# KiCad board dynamis.kicad_pcb (continued)
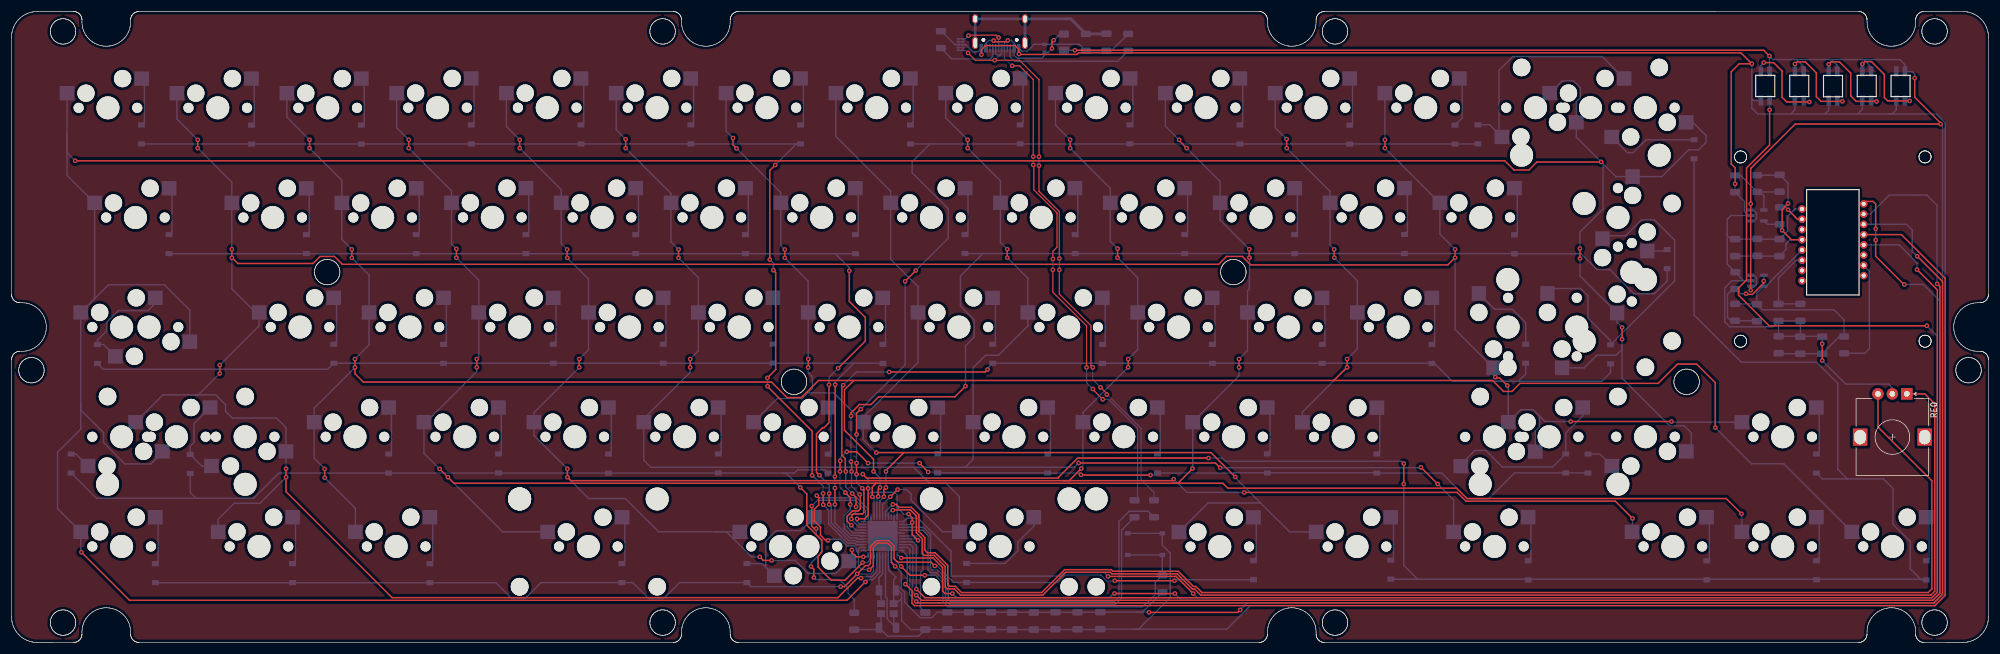
[diagram p0: board, top side]
## Routing (per net, layer and track width the routed paths; a pad name or vN(x,y) marks a point on that pad's centre or on a via; arc(x,y) is an arc through that point) (continued)
row09: length 329
  Top w0.25: v1(146.66,21.48) 147.97,21.48 148.6,22.1 148.6,26.73 v1(148.57,26.75) ; v1(147.65,29.25) 148.35,28.55 181.6,28.55 181.6,28.69 184.93,32.03 v1(207.62,32.03) ; v1(241.5,31.07) v1(241.5,27.52)
  Bottom w0.25: v1(207.62,32.03) 210,32.03 210.55,31.48 241.1,31.48 v1(241.5,31.07) ; U0.32 147.17,20.5 146.66,21.01 v1(146.66,21.48) ; D09_01.1 314.1,28.4 318.42,28.4 ; 243.9,11 332.02,11 D09_02.1 331.27,10.88 329.35,12.8 329.35,17.55 326.35,20.55 326.35,26.75 324.7,28.4 318.42,28.4 ; 243.9,11 D09_06.1 ; 243.9,11 241.5,13.4 v1(241.5,27.52) ; 318.42,28.4 316.77,30.05 316.77,45 313.1,48.68 300.05,48.68 291.85,56.88 D09_00.1 ; v1(148.57,26.75) 148.57,28.32 v1(147.65,29.25)
SCLK: length 271.7
  Top w0.25: v1(156.94,8.2) 157.81,7.33 333.28,7.33 334.5,8.54 334.5,61.8 v1(334.02,62.28)
  Bottom w0.25: v1(156.94,8.2) 156.21,8.93 156.21,9.69 156.35,9.83 156.35,16.6 155.95,17 U0.9 ; U1.10 322.42,74.4 325.72,77.7 332.22,77.7 334,75.93 334,62.3 v1(334.02,62.28)
Net-(C0-Pad2): length 9
  Bottom w0.25: 150.82,9.03 150.47,9.38 150.47,11.3 151.1,11.93 U0.17 ; Y0.3 150.82,8.68 C0.2
Net-(C1-Pad1): length 15.9
  Bottom w0.25: U0.16 151.6,7.92 151.87,7.65 151.87,4.13 C1.1 153.02,2.98 Y0.1
Net-(C2-Pad1): length 17.1
  Bottom w0.25: U0.6 157.5,18.5 158.1,17.9 158.1,12.55 157.66,12.11 157.66,6.04 C2.1
Net-(C7-Pad1): length 13.7
  Bottom w0.25: C8.1 306.52,58.8 C7.1 306.5,63.33 309.56,66.39 U1.3
Net-(C15-Pad2): length 18.6
  Top w0.25: v1(300.85,60.58) 300.97,60.45 301.97,60.45 303.95,62.43 v1(303.95,62.77)
  Bottom w0.25: v1(303.95,62.77) 303.96,62.79 U2.4 ; C15.2 302.66,55.89 R9.2 298.21,55.89 297.65,56.45 297.65,60.48 298.56,61.39 R10.1 299.81,60.58 v1(300.85,60.58)
Net-(C19-Pad2): length 12.8
  Bottom w0.25: R11.2 299.92,81.11 R12.1 ; R11.2 306.66,78.24 C19.2 ; R11.2 303.28,78.24 303.96,77.56 U3.4
Net-(D00_00-Pad2): length 8.5
  Bottom w0.25: D00_00.2 23.05,90.38 23.05,97.44 SW00_00.2
Net-(D00_01-Pad2): length 8.5
  Bottom w0.25: D00_01.2 42.1,90.33 42.1,97.44 SW00_01.2
Net-(D00_02-Pad2): length 8.5
  Bottom w0.25: D00_02.2 61.18,90.33 61.18,97.44 SW00_02.2
Net-(D00_03-Pad2): length 8.5
  Bottom w0.25: D00_03.2 80.23,90.35 80.23,97.47 79.74,97.96
Net-(D00_04-Pad2): length 8.5
  Bottom w0.25: SW00_04.2 99.25,97.47 99.25,90.35 D00_04.2
Net-(D00_05-Pad2): length 8.4
  Bottom w0.25: D00_05.2 118.3,90.35 118.3,97.47 SW00_05.2
Net-(D00_06-Pad2): length 8.5
  Bottom w0.25: D00_06.2 137.35,90.35 137.35,97.47 SW00_06.2
Net-(D01_00-Pad2): length 8.5
  Bottom w0.25: D01_00.2 27.83,71.33 27.83,78.39 27.34,78.88
Net-(D01_01-Pad2): length 8.5
  Bottom w0.25: 51.14,78.88 51.63,78.39 51.63,71.3 D01_01.2
Net-(D01_02-Pad2): length 8.5
  Bottom w0.25: 70.21,78.88 70.7,78.39 70.7,71.33 D01_02.2
Net-(D01_03-Pad2): length 8.5
  Bottom w0.25: 89.24,78.91 89.73,78.42 89.73,71.33 D01_03.2
Net-(D01_04-Pad2): length 8.5
  Bottom w0.25: SW01_04.2 108.75,78.42 108.75,71.3 D01_04.2
Net-(D01_05-Pad2): length 8.5
  Bottom w0.25: D01_05.2 127.8,71.33 127.8,78.42 SW01_05.2
Net-(D01_06-Pad2): length 8.5
  Bottom w0.25: SW01_06.2 146.85,78.42 146.85,71.28 D01_06.2
Net-(D02_00-Pad2): length 19.2
  Bottom w0.25: 18,49.7 15.95,51.75 D02_00.2 14.9,52.53 16.52,54.15 16.52,55.6 18.57,57.65 23.7,57.65 24.94,58.89 SWCL_S00.2
Net-(D02_01-Pad2): length 8.5
  Bottom w0.25: D02_01.2 56.38,52.28 56.38,59.37 SW02_01.2
Net-(D02_02-Pad2): length 8.5
  Bottom w0.25: D02_02.2 75.43,52.25 75.43,59.37 SW02_02.2
Net-(D02_03-Pad2): length 8.5
  Bottom w0.25: SW02_03.2 94.45,59.37 94.45,52.28 D02_03.2
Net-(D02_04-Pad2): length 8.4
  Bottom w0.25: D02_04.2 113.5,52.25 113.5,59.37 SW02_04.2
Net-(D02_05-Pad2): length 8.4
  Bottom w0.25: SW02_05.2 132.55,59.37 132.55,52.25 D02_05.2
Net-(D02_06-Pad2): length 8.5
  Bottom w0.25: SW02_06.2 151.6,59.37 151.6,52.23 D02_06.2
Net-(D03_00-Pad2): length 3.8
  Bottom w0.25: SW03_00.2 11.17,32.73 D03_00.2
Net-(D03_01-Pad2): length 14.1
  Bottom w0.25: SWLS_S01.2 33,30.65 D03_01.2 31,34.1 31.65,34.75 31.65,38.01 SWLS_L01.2
Net-(D03_02-Pad2): length 8.5
  Bottom w0.25: D03_02.2 65.9,33.2 65.9,40.32 SW03_02.2
Net-(D03_03-Pad2): length 8.5
  Bottom w0.25: D03_03.2 84.95,33.23 84.95,40.32 SW03_03.2
Net-(D03_04-Pad2): length 8.5
  Bottom w0.25: D03_04.2 104.03,33.2 104.03,40.32 SW03_04.2
Net-(D03_05-Pad2): length 8.5
  Bottom w0.25: SW03_05.2 123.08,40.32 123.08,33.23 D03_05.2
Net-(D03_06-Pad2): length 8.5
  Bottom w0.25: SW03_06.2 142.13,40.32 142.13,33.2 D03_06.2
Net-(D04_00-Pad2): length 8.5
  Bottom w0.25: D04_00.2 25.43,14.15 25.43,21.27 SW04_00.2
Net-(D04_01-Pad2): length 8.5
  Bottom w0.25: SW04_01.2 49.25,21.27 49.25,14.2 D04_01.2
Net-(D04_02-Pad2): length 8.5
  Bottom w0.25: SW04_02.2 73.05,21.27 73.05,14.15 D04_02.2
Net-(D04_03-Pad2): length 8.5
  Bottom w0.25: D04_03.2 106.39,14.21 106.39,21.26 105.9,21.75
Net-(D04_04-Pad2): length 22.4
  Bottom w0.25: SWSP_S04.2 136.91,19.43 132.65,19.43 130.82,17.6 130.82,13.08 SWSP_L04.2 130.2,13.7 D04_04.2
Net-(D04_05-Pad2): length 16.8
  Bottom w0.25: D04_05.2 172.35,13.73 174.55,15.93 174.55,17.43 177.34,20.22 SW04_05.2
Net-(D04_06-Pad2): length 7.9
  Bottom w0.25: SW04_06.2 215.91,21.24 215.91,14.68 D04_06.2
Net-(D05_00-Pad2): length 41.1
  Bottom w0.25: SWBS_L00.2 275.91,101.76 260.4,101.76 258,99.35 258.02,99.33 258.02,88.28 SWBS_S00.2 256.4,89.9 D05_00.2
Net-(D05_01-Pad2): length 8.8
  Bottom w0.25: D05_01.2 251.63,91.1 251.63,97.47 SW05_01.2
Net-(D05_02-Pad2): length 8.5
  Bottom w0.25: SW05_02.2 232.6,97.47 232.6,90.33 D05_02.2
Net-(D05_03-Pad2): length 8.5
  Bottom w0.25: SW05_03.2 213.55,97.47 213.55,90.35 D05_03.2
Net-(D05_04-Pad2): length 8.5
  Bottom w0.25: D05_04.2 194.5,90.4 194.5,97.47 SW05_04.2
Net-(D05_05-Pad2): length 8.5
  Bottom w0.25: SW05_05.2 175.45,97.47 175.45,90.4 D05_05.2
Net-(D05_06-Pad2): length 8.5
  Bottom w0.25: SW05_06.2 156.4,97.47 156.4,90.35 D05_06.2
Net-(D06_00-Pad2): length 3.5
  Bottom w0.25: D06_00.2 286.93,67.98 SW06_00.2
Net-(D06_01-Pad2): length 8.5
  Bottom w0.25: SW06_01.2 261.18,78.42 261.18,71.28 D06_01.2
Net-(D06_02-Pad2): length 8.5
  Bottom w0.25: D06_02.2 242.13,71.35 242.13,78.42 SW06_02.2
Net-(D06_03-Pad2): length 8.5
  Bottom w0.25: SW06_03.2 223.05,78.42 223.05,71.3 D06_03.2
Net-(D06_04-Pad2): length 8.5
  Bottom w0.25: SW06_04.2 204,78.42 204,71.35 D06_04.2
Net-(D06_05-Pad2): length 8.5
  Bottom w0.25: SW06_05.2 184.95,78.42 184.95,71.28 D06_05.2
Net-(D06_06-Pad2): length 8.5
  Bottom w0.25: D06_06.2 165.9,71.35 165.9,78.42 SW06_06.2
Net-(D07_00-Pad2): length 56.1
  Bottom w0.25: SWET_IS00.2 276.45,70.63 279.95,70.63 282.7,73.38 284.97,73.38 288.47,69.88 288.47,62.8 D07_00.2 277.37,52.4 273.45,56.33 273.45,60.2 272.17,61.48 267.25,61.48 266.42,60.64 SWET_AN00.2
Net-(D07_01-Pad2): length 14
  Bottom w0.25: SW07_01.2 257.26,57.88 260.32,57.88 262.65,55.55 D07_01.2
Net-(D07_02-Pad2): length 8.5
  Bottom w0.25: D07_02.2 246.85,52.25 246.85,59.37 SW07_02.2
Net-(D07_03-Pad2): length 8.5
  Bottom w0.25: SW07_03.2 227.8,59.37 227.8,52.23 D07_03.2
Net-(D07_04-Pad2): length 8.5
  Bottom w0.25: SW07_04.2 208.75,59.37 208.75,52.23 D07_04.2
Net-(D07_05-Pad2): length 8.5
  Bottom w0.25: SW07_05.2 189.7,59.37 189.7,52.23 D07_05.2
Net-(D07_06-Pad2): length 8.4
  Bottom w0.25: SW07_06.2 170.65,59.37 170.65,52.25 D07_06.2
Net-(D08_00-Pad2): length 5
  Bottom w0.25: SW08_00.2 275.5,32.73 D08_00.2
Net-(D08_01-Pad2): length 30.9
  Bottom w0.25: SWRS_L01.2 272.54,39.34 269.6,36.4 D08_01.2 267.32,30.48 258.6,30.48 255.72,33.35 253.82,33.35 251.38,30.91 SWRS_S01.2
Net-(D08_02-Pad2): length 8.5
  Bottom w0.25: D08_02.2 237.33,33.23 237.33,40.29 236.84,40.78
Net-(D08_03-Pad2): length 8.5
  Bottom w0.25: D08_03.2 218.3,33.23 218.3,40.32 SW08_03.2
Net-(D08_04-Pad2): length 8.5
  Bottom w0.25: D08_04.2 199.25,33.2 199.25,40.32 SW08_04.2
Net-(D08_05-Pad2): length 8.5
  Bottom w0.25: D08_05.2 180.2,33.2 180.2,40.32 SW08_05.2
Net-(D08_06-Pad2): length 8.4
  Bottom w0.25: D08_06.2 161.15,33.28 161.15,40.32 SW08_06.2
Net-(D09_00-Pad2): length 16.3
  Bottom w0.25: D09_00.2 283.52,87.3 281.3,85.08 280.27,85.08 277.55,87.79 SW09_00.2
Net-(D09_01-Pad2): length 8.5
  Bottom w0.25: SW09_01.2 313.55,40.32 313.55,33.2 D09_01.2
Net-(D09_02-Pad2): length 8
  Bottom w0.25: D09_02.2 332.6,14.63 332.6,21.27 SW09_02.2
Net-(D09_03-Pad2): length 7.9
  Bottom w0.25: SW09_03.2 313.55,21.27 313.55,14.65 D09_03.2
Net-(D09_04-Pad2): length 8
  Bottom w0.25: D09_04.2 294.5,14.63 294.5,21.27 SW09_04.2
Net-(D09_05-Pad2): length 8
  Bottom w0.25: SW09_05.2 263.55,21.27 263.55,14.65 D09_05.2
Net-(D09_06-Pad2): length 7.8
  Bottom w0.25: D09_06.2 239.71,14.76 239.71,21.25 SW09_06.2
Net-(J0-PadA5): length 11.4
  Bottom w0.25: R3.2 163.08,101.35 169.75,101.35 170.22,101.83 J0.A5
Net-(J0-PadB5): length 23
  Bottom w0.25: J0.B5 173.22,101.73 174.02,100.93 191.86,100.93 R4.2
Net-(LED00-Pad2): length 16.3
  Top w0.25: v1(303.95,100.7) 305.65,100.7 307.1,99.25 307.1,94.7 307.92,93.88 v1(311.85,93.88)
  Bottom w0.25: LED00.2 303.45,100.2 v1(303.95,100.7) ; v1(311.85,93.88) 311.12,93.88 LED01.4
Net-(LED01-Pad2): length 15.9
  Top w0.25: v1(309.35,100.47) 309.7,100.83 311.15,100.83 313.05,98.93 313.05,94.8 313.87,93.98 v1(317.57,93.98)
  Bottom w0.25: v1(309.35,100.47) 309.35,100.47 LED01.2 ; LED02.4 316.85,93.98 v1(317.57,93.98)
Net-(LED02-Pad2): length 15.9
  Top w0.25: v1(323.5,93.98) 319.97,93.98 319.02,94.93 319.02,98.88 317.07,100.83 315.62,100.83 v1(315.2,100.4)
  Bottom w0.25: v1(323.5,93.98) 322.72,93.98 LED03.4 ; LED02.2 v1(315.2,100.4)
Net-(LED03-Pad2): length 15.7
  Top w0.25: v1(329.25,94.05) 325.45,94.05 324.85,94.65 324.85,98.65 322.62,100.88 321.46,100.88 v1(321.04,100.46)
  Bottom w0.25: LED03.2 321.05,100.45 v1(321.04,100.46) ; LED04.4 328.52,94.05 v1(329.25,94.05)
Net-(R0-Pad1): length 64.3
  Bottom w0.25: U0.4 158.05,19.5 158.97,18.58 158.97,12.6 159.45,12.12 160.44,12.12 161.62,10.95 161.63,10.95 162.02,10.56 162.02,7.26 162.61,6.67 191.51,6.67 192.55,7.7 192.55,19.51 R0.1
Net-(R1-Pad1): length 69.1
  Bottom w0.25: U0.3 158.18,20 159.42,18.76 159.42,12.88 159.72,12.57 160.64,12.57 162.47,10.75 162.47,7.45 162.8,7.12 191.33,7.12 192.1,7.89 192.1,21.03 193.85,22.78 197.16,22.78 R1.1
Net-(R2-Pad2): length 38.3
  Top w0.25: v1(138.8,23.7) 138.8,20.2 139.22,19.78 v1(139.57,19.78) ; v1(138.67,13.2) 139.17,12.7 v1(139.17,11.28)
  Bottom w0.25: v1(138.8,23.7) 139.8,24.7 146.39,24.7 148.15,22.94 148.15,21.39 U0.33 ; v1(138.67,13.2) 138.67,13.8 140.51,15.64 140.51,17.71 139.57,18.65 v1(139.57,19.78) ; v1(139.17,11.28) 139.52,10.93 143.62,10.93 145.1,9.45 145.1,8.55 146.17,7.48 R2.2
Net-(R6-Pad1): length 4.7
  Top w0.25: v1(308.15,75.15) 309.37,73.93 309.37,73.9 309.77,73.51 U1.7
  Bottom w0.25: v1(308.15,75.15) 307.73,75.56 R6.1
Net-(R7-Pad2): length 19.6
  Bottom w0.25: R7.2 321.43,50.21 322.27,51.05 322.27,54.88 322.25,54.9 322.25,64.52 U1.15

## Copper pours and planes (outline as drawn; the poured copper is in the pictures)
(no net) on Top: 350.2,118.18 349.87,-6.45 -8.98,-6.45 -8.98,118.88
(no net) on Bottom: 350.2,118.18 349.87,-6.45 -8.98,-6.45 -8.98,118.88

## Text on the board
F.Mask: dynamis v2.0.0 designed by bbrfkr
